# Altium PCB MOTHERBOARD_Hristo_JLC2313.PcbDoc (part 2 of 4) (continued)
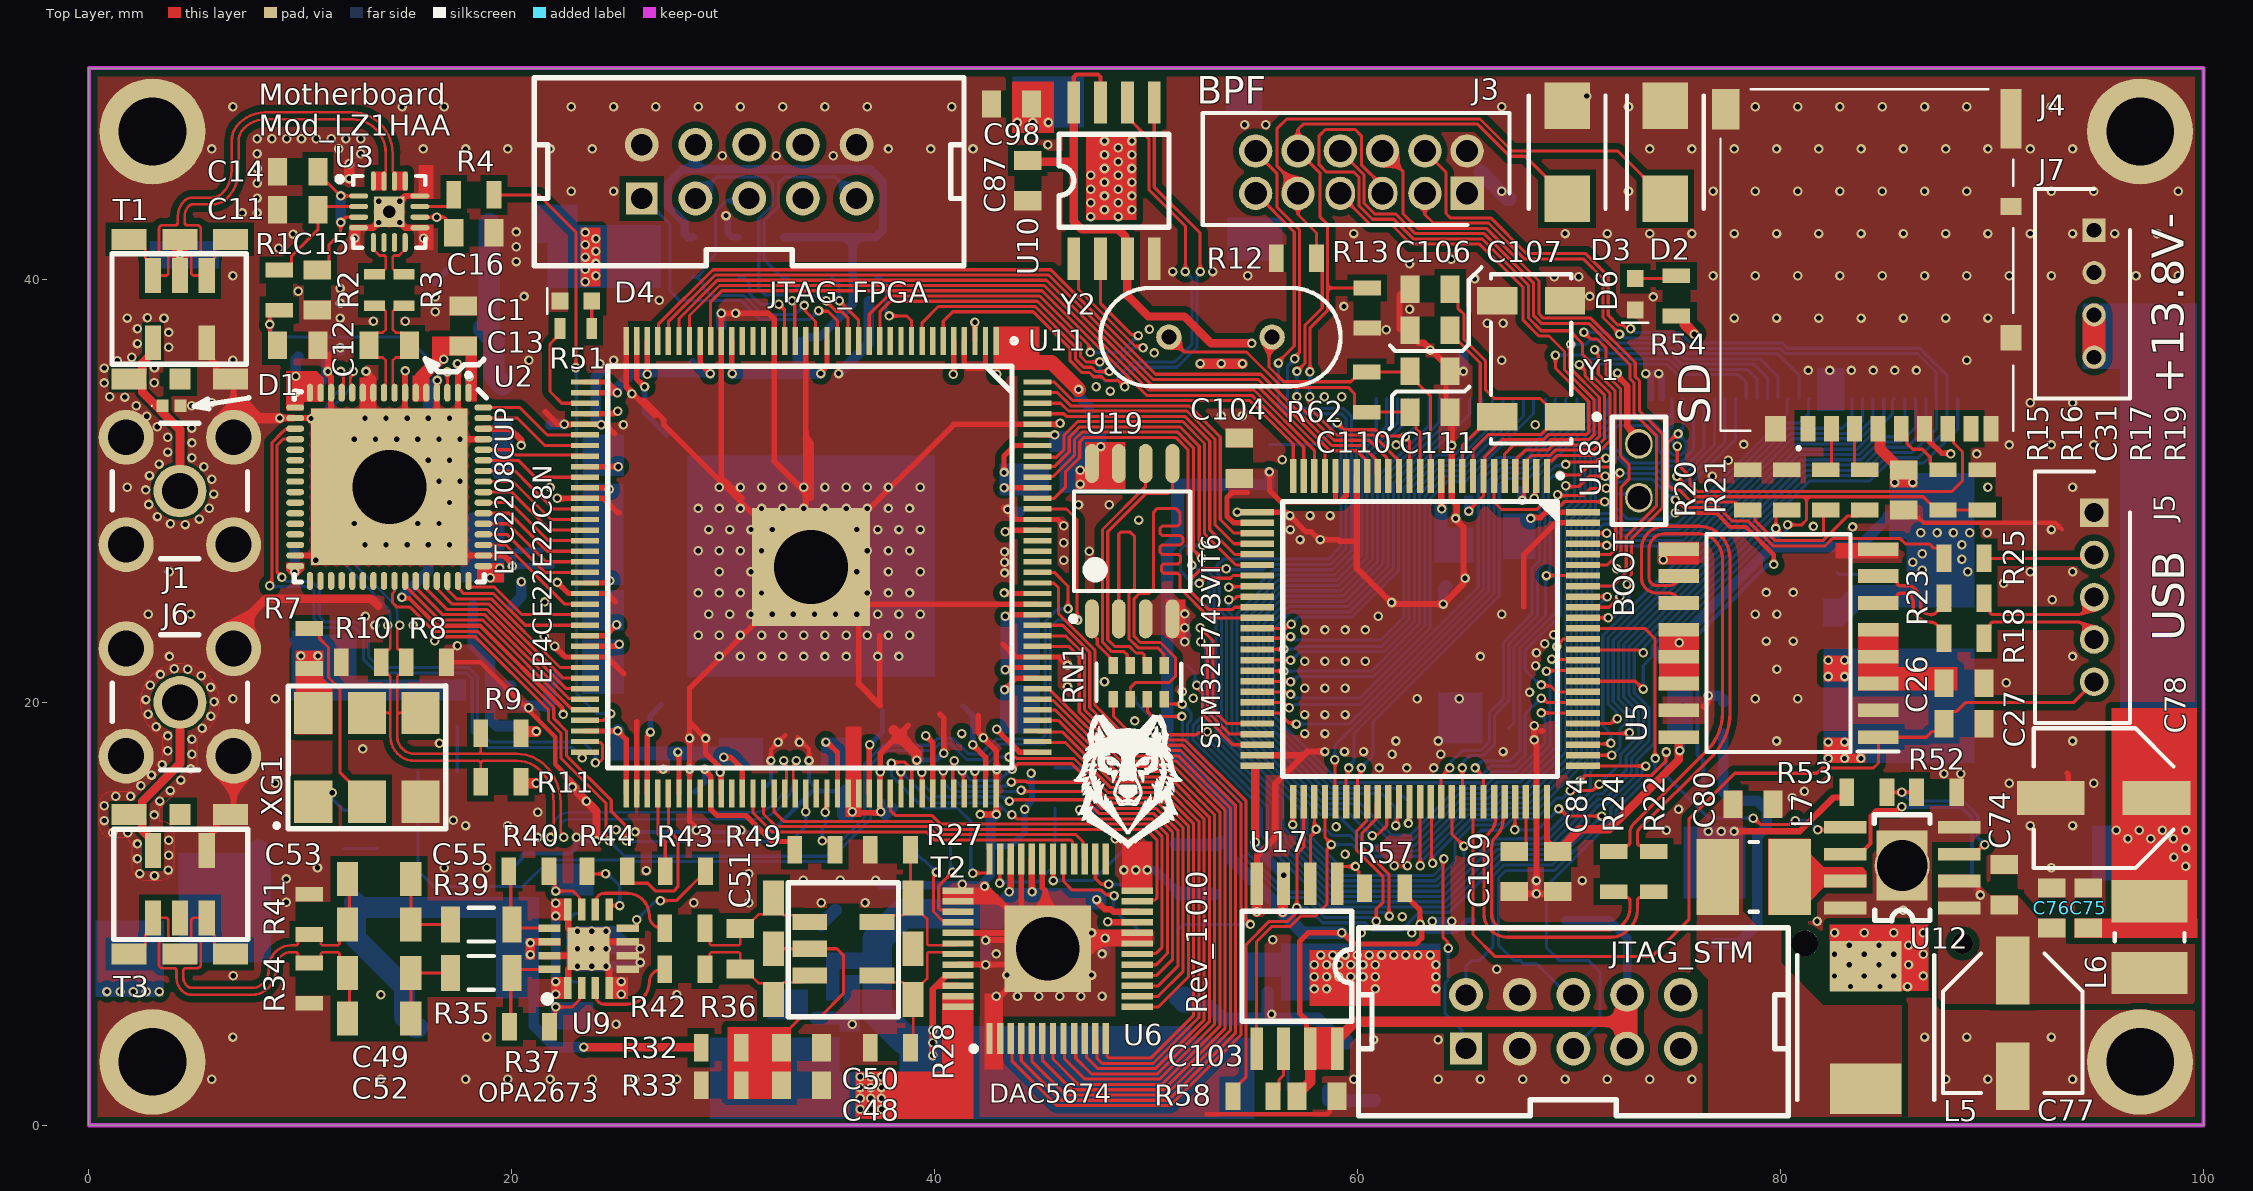
[diagram p0: Top Layer view]
## Nets (pads, with @x,y where several pads share a name; then routed paths per layer and width w, separated by ;. In a path a pad name is that pad's centre, name@x,y a point inside that pad or via, vN(x,y) a via of type N, cw(c..) or ccw(c..) an arc to the next point about the centre after c; other vN are vias at no path point) (continued)
CLKOUTA: U2.41 U11.90 | length 28.8
  Top Layer w0.147: U2.41@14.45,25.747 14.445,25.742 14.445,25.247 14.352,25.154 14.352,24.723 14.555,24.52 15.164,24.52 16.33,23.355 18.385,23.355 21.978,19.762 21.978,19.246 22.575,18.648 22.575,17.49 24.7,15.365 24.7,14.85 25.377,14.173 25.377,13.473 v1(25.4,13.45) ; v1(33.9,14.825) U11.90@33.9,15.7
  Bottom Layer w0.147: v1(25.4,13.45) 25.423,13.427 33.177,13.427 33.9,14.15 v1(33.9,14.825)
D_N: J5.4 R18.1 | length 6.2
  Top Layer w0.153: R18.1@89.625,23.025 89.654,23.054 ccw(c89.065,23.644) 89.898,23.644 cw(c90.052,23.644) 89.943,23.752 cw(c90.052,23.644) 90.052,23.797 94.003,23.797 cw(c94.003,23.053) 94.747,23.053 J5.4@94.825,22.975
D_P: J5.3 R23.1 | length 6.2
  Top Layer w0.153: R23.1@89.625,24.925 89.654,24.896 cw(c89.065,24.306) 89.898,24.306 ccw(c90.052,24.306) 89.943,24.198 ccw(c90.052,24.306) 90.052,24.153 94.003,24.153 ccw(c94.003,24.897) 94.747,24.897 J5.3@94.825,24.975
DA0: U2.42 U11.68 | length 11.2
  Top Layer w0.147: U2.42@14.95,25.747 14.95,25.512 16.557,23.905 18.612,23.905 22.814,19.704 23.396,19.704 U11.68@23.45,19.65
DA1: U2.43 U11.67 | length 10.5
  Top Layer w0.147: U2.43@15.45,25.747 15.45,25.43 15.527,25.354 15.527,25.348 16.722,24.153 18.715,24.153 22.682,20.187 23.413,20.187 U11.67@23.45,20.15
DA2: U2.44 U11.66 | length 9.8
  Top Layer w0.147: U2.44@15.95,25.747 15.979,25.718 15.979,25.346 16.923,24.402 18.818,24.402 22.57,20.65 U11.66@23.45,20.65
DA3: U2.45 U11.65 | length 9.1
  Top Layer w0.147: U2.45@16.45,25.747 16.479,25.718 16.479,25.346 17.175,24.65 18.921,24.65 22.421,21.15 U11.65@23.45,21.15
DA4: U2.46 U11.64 | length 8.4
  Top Layer w0.147: U2.46@16.95,25.747 16.979,25.718 16.979,25.301 17.382,24.898 19.024,24.898 22.272,21.65 U11.64@23.45,21.65
DA5: U2.47 U11.60 | length 7.1
  Top Layer w0.147: U2.47@17.45,25.747 17.45,25.43 17.527,25.354 17.527,25.344 17.724,25.147 19.127,25.147 20.624,23.65 20.862,23.65 22.8,23.65 U11.60@23.45,23.65
DA6: U2.48 U11.59 | length 6.3
  Top Layer w0.147: U2.48@17.95,25.747 17.95,25.521 18.021,25.45 19.175,25.45 20.47,24.155 U11.59@23.45,24.15
DA7: U2.51 U11.58 | length 6
  Top Layer w0.147: U2.51@18.65,27.447 19.703,27.447 22.5,24.65 U11.58@23.45,24.65
DA8: U2.52 U11.55 | length 5.6
  Top Layer w0.147: U2.52@18.65,27.947 19.76,27.947 21.572,26.135 23.435,26.135 U11.55@23.45,26.15
DA9: U2.53 U11.54 | length 5.5
  Top Layer w0.147: U2.53@18.65,28.447 19.819,28.447 21.616,26.65 U11.54@23.45,26.65
DA10: U2.54 U11.53 | length 5.5
  Top Layer w0.147: U2.54@18.65,28.947 19.877,28.947 21.674,27.15 U11.53@23.45,27.15
DA11: U2.55 U11.52 | length 5.5
  Top Layer w0.147: U2.55@18.65,29.447 19.936,29.447 21.733,27.65 U11.52@23.45,27.65
DA12: U2.56 U11.51 | length 5.5
  Top Layer w0.147: U2.56@18.65,29.947 19.995,29.947 21.791,28.15 U11.51@23.45,28.15
DA13: U2.57 U11.50 | length 5.5
  Top Layer w0.147: U2.57@18.65,30.447 20.053,30.447 21.85,28.65 U11.50@23.45,28.65
DA14: U2.58 U11.49 | length 5.5
  Top Layer w0.147: U2.58@18.65,30.947 20.153,30.947 20.8,30.3 21.95,29.15 23.196,29.15 U11.49@23.45,29.15
DA15: U2.59 U11.46 | length 5.1
  Top Layer w0.147: U2.59@18.65,31.447 20.303,31.447 21.1,30.65 U11.46@23.45,30.65
DAC1: U6.16 U11.101 | length 22.4
  Top Layer w0.147: v1(39.378,16.693) 39.389,16.682 39.389,15.711 U11.101@39.4,15.7 ; v1(43.531,15.337) 43.589,15.395 43.765,15.395 43.769,15.398 47.124,15.398 47.779,14.743 50.36,14.743 51.247,13.855 51.247,7.847 50.494,7.094 U6.16@49.577,7.094
  Bottom Layer w0.147: v1(39.378,16.693) 39.37,16.685 39.37,16.205 40.038,15.537 43.249,15.537 43.449,15.337 v1(43.531,15.337)
DAC2: U6.15 U11.103 | length 22.5
  Top Layer w0.147: U11.103@40.4,15.7 U11.103@40.4,15.7 v1(40.402,16.775) v1(40.402,16.775) ; v1(44.077,15.847) 44.135,15.789 47.085,15.789 47.882,14.991 50.463,14.991 51.496,13.958 51.496,7.521 50.569,6.594 U6.15@49.577,6.594
  Bottom Layer w0.147: v1(40.402,16.775) 40.378,16.752 40.378,16.247 40.84,15.785 43.804,15.785 43.807,15.789 44.019,15.789 v1(44.077,15.847)
DAC3: U6.14 U11.104 | length 23.9
  Top Layer w0.147: U11.104@40.9,15.7 40.85,15.75 40.85,17.093 40.92,17.163 v1(40.92,17.245) ; v1(43.619,16.234) 43.657,16.272 44.326,16.272 44.374,16.225 47,16.225 47.985,15.239 50.566,15.239 51.744,14.061 51.744,7.289 50.549,6.094 U6.14@49.577,6.094
  Bottom Layer w0.147: v1(40.92,17.245) 40.862,17.187 40.862,16.954 40.85,16.943 40.85,16.427 41.243,16.034 43.336,16.034 43.537,16.234 v1(43.619,16.234)
DAC4: U6.13 U11.105 | length 23.7
  Top Layer w0.147: v1(41.299,16.757) 41.349,16.706 41.349,15.751 U11.105@41.4,15.7 ; v1(43.652,16.833) 43.918,17.1 46.476,17.1 48.088,15.488 50.669,15.488 51.992,14.164 51.992,7.017 50.569,5.594 U6.13@49.577,5.594
  Bottom Layer w0.147: v1(41.299,16.757) 41.299,16.715 41.714,16.3 43.05,16.3 43.584,16.833 v1(43.652,16.833)
DAC5: U6.12 U11.106 | length 27.9
  Top Layer w0.147: U11.106@41.9,15.7 v1@41.899,16.749 ; v1(43.521,17.419) 43.548,17.392 43.831,17.392 43.875,17.348 46.579,17.348 48.191,15.736 50.772,15.736 52.241,14.267 52.241,5.203 50.213,3.175 48.235,3.175 48.149,3.261 48.149,4.046 U6.12@48.089,4.106
  Bottom Layer w0.147: v1(41.899,16.75) 41.94,16.792 42.193,16.792 42.826,17.425 43.515,17.425 v1(43.521,17.419)
DAC6: U6.11 U11.110 | length 25.3
  Top Layer w0.147: U11.110@44.85,18.15 44.904,18.097 46.182,18.097 48.294,15.985 50.875,15.985 52.489,14.37 52.489,5.1 50.316,2.927 47.923,2.927 47.666,3.184 47.666,4.029 U6.11@47.589,4.106
DAC7: U6.10 U11.111 | length 26.8
  Top Layer w0.147: U11.111@44.85,18.65 44.89,18.61 46.02,18.61 48.397,16.233 50.977,16.233 52.738,14.473 52.738,4.997 50.419,2.678 47.72,2.678 47.166,3.232 47.166,4.029 U6.10@47.089,4.106
DAC8: U6.9 U11.112 | length 28.3
  Top Layer w0.147: U11.112@44.85,19.15 45.831,19.15 48.5,16.481 51.08,16.481 52.986,14.576 52.986,4.894 50.522,2.43 47.409,2.43 46.666,3.174 46.666,4.029 U6.9@46.589,4.106
DAC9: U6.8 U11.113 | length 29.9
  Top Layer w0.147: U11.113@44.85,19.65 45.682,19.65 48.603,16.73 51.183,16.73 53.212,14.701 53.235,14.701 53.235,4.791 50.625,2.181 47.099,2.181 46.132,3.148 46.132,4.063 U6.8@46.089,4.106
DAC10: U6.7 U11.114 | length 31.5
  Top Layer w0.147: U11.114@44.85,20.15 44.904,20.097 45.587,20.097 48.705,16.978 51.309,16.978 53.483,14.804 53.483,4.688 50.728,1.933 46.789,1.933 45.589,3.133 U6.7@45.589,4.106
DAC11: U6.6 U11.115 | length 33
  Top Layer w0.147: U11.115@44.85,20.65 45.383,20.65 45.58,20.453 45.582,20.453 48.808,17.227 51.412,17.227 53.731,14.907 53.731,4.585 50.831,1.685 46.479,1.685 45.089,3.075 U6.6@45.089,4.106
DAC12: U6.5 U11.119 | length 36.7
  Top Layer w0.147: U6.5@44.589,4.106 44.589,3.037 46.19,1.436 50.934,1.436 53.98,4.482 53.98,15.01 51.515,17.475 48.911,17.475 46.83,19.557 46.83,22.16 46.34,22.65 U11.119@44.85,22.65
DAC13: U6.4 U11.120 | length 38.2
  Top Layer w0.147: U6.4@44.089,4.106 44.089,3.061 45.962,1.188 51.036,1.188 54.228,4.379 54.228,15.113 51.618,17.724 49.014,17.724 47.078,19.659 47.078,22.263 46.206,23.136 44.865,23.136 U11.120@44.85,23.15
DAC14: U6.3 U11.121 | length 39.7
  Top Layer w0.147: U6.3@43.589,4.106 43.644,4.051 43.644,3.056 45.761,0.939 51.139,0.939 54.477,4.277 54.477,15.216 51.721,17.972 49.117,17.972 47.327,19.762 47.327,22.366 46.043,23.65 U11.121@44.85,23.65
DAC_CLK: R30.1 U11.125 | length 26
  Top Layer w0.147: U11.125@44.85,25.65 44.865,25.635 45.64,25.635 45.85,25.425 45.85,24.198 47.575,22.473 47.575,19.865 49.22,18.22 51.828,18.22 54.725,15.323 54.725,9.738 54.925,9.538 v1(54.925,9.5)
  Bottom Layer w0.147: R30.1@51.475,9.1 51.475,9.226 51.752,9.503 54.922,9.503 v1(54.925,9.5)
DAC_DIV0: U6.28 U11.85 | length 17.5
  Top Layer w0.147: U11.85@31.4,15.7 31.4,14.775 32.297,13.878 39.595,13.878 39.973,13.501 46.425,13.501 46.511,13.415 46.511,12.66 U6.28@46.588,12.583 ; U6.28@46.588,12.588 U6.28@46.588,12.583 ; U6.28@46.589,12.582 U6.28@46.588,12.583
DAC_DIV1: U6.27 U11.86 | length 17.5
  Top Layer w0.147: U11.86@31.9,15.7 31.9,14.725 32.498,14.127 39.698,14.127 40.025,13.8 40.076,13.749 46.676,13.749 47.011,13.414 47.011,12.66 47.086,12.585 U6.27@47.088,12.588
DAC_DRV_A0: R43.1 U11.76 | length 4
  Top Layer w0.147: U11.76@26.9,15.7 26.9,13.775 27.253,13.422 R43.1@27.253,11.894
DAC_DRV_A1: R44.1 U11.77 | length 7.4
  Top Layer w0.147: R44.1@25.453,11.794 25.453,11.727 25.73,11.45 26.425,11.45 26.8,11.075 27.65,11.075 27.85,11.275 27.85,13.525 27.4,13.975 U11.77@27.4,15.7
DAC_HP1: U6.17 U11.99 | length 22.1
  Top Layer w0.147: U11.99@38.4,15.7 v1(38.4,16.725) ; v1(43.65,14.694) 43.688,14.694 43.888,14.494 50.257,14.494 50.999,13.752 50.999,8.124 50.469,7.594 U6.17@49.577,7.594
  Bottom Layer w0.147: v1(38.4,16.725) 39.875,15.25 42.984,15.25 43.427,14.807 43.455,14.807 43.568,14.694 v1(43.65,14.694)
DAC_HP2: U6.18 U11.98 | length 20.7
  Top Layer w0.147: U11.98@37.9,15.7 37.9,14.9 38.155,14.645 39.882,14.645 40.282,14.246 50.154,14.246 50.75,13.65 50.75,8.425 50.444,8.119 49.602,8.119 49.577,8.094 49.576,8.095 U6.18@49.576,8.1
DAC_OUT_N: R27.2 T2.6 T2.10 U6.42 | length 8.3
  Top Layer w0.122: T2.10@37.265,9.62 37.584,9.939 38.489,9.939 T2.6@38.975,10.425 ; R27.2@38.85,13.025 38.85,10.875 T2.6@38.975,10.75 T2.6@38.975,10.425 ; U6.42@41.1,8.6 41.013,8.513 40.179,8.513 39.709,8.513 39.638,8.584 39.638,9.762 T2.6@38.975,10.425
DAC_OUT_P: R28.2 T2.4 T2.11 U6.43 | length 8.3
  Top Layer w0.122: T2.11@37.265,7.08 37.584,6.761 38.489,6.761 T2.4@38.975,6.275 ; R28.2@38.85,3.675 38.85,3.9 38.975,4.025 T2.4@38.975,5.95 T2.4@38.975,6.275 ; U6.43@41.1,8.1 41.013,8.187 40.044,8.187 39.709,8.187 39.638,8.116 39.638,6.938 T2.4@38.975,6.275
DAC_PD: U6.36 U11.100 | length 11.4
  Top Layer w0.147: v1(37.95,17.125) 37.998,17.173 38.586,17.173 38.911,16.848 38.911,15.711 U11.100@38.9,15.7 ; v1(41.8,11.925) 42.512,11.925 42.589,12.002 U6.36@42.589,12.582
  Bottom Layer w0.147: v1(37.95,17.125) 37.95,16.525 39.475,15 41.075,15 41.7,14.375 41.7,12.107 41.8,12.007 v1(41.8,11.925)
DAC_X4: U6.23 U11.87 | length 23.3
  Top Layer w0.147: U11.87@32.4,15.7 32.4,14.825 32.85,14.375 39.801,14.375 40.179,13.997 50.003,13.997 50.502,13.498 50.502,10.744 50.416,10.658 49.641,10.658 49.577,10.594 49.576,10.595 U6.23@49.576,10.6
DCDC_SYNC: J2.42 U11.133 U12.5 | length 90.4
  Top Layer w0.147: U11.133@44.85,29.65 45.65,29.65 46.175,30.175 46.175,30.899 46.855,31.579 46.855,32.33 47.061,32.536 51.389,32.536 51.977,31.948 51.977,27.001 52.096,26.882 52.096,26.54 v1(52.154,26.482) ; v1(70.493,16.273) 70.77,16.55 73.909,16.55 74.569,17.21 74.569,17.632 v1(74.592,17.655) ; v1(78.7,14.525) 78.749,14.525 79.039,14.234 80.442,14.234 80.552,14.344 80.656,14.344 v1@80.692,14.308 ; v1(80.692,14.402) v1@80.692,14.308 ; v1@80.725,14.435 80.725,14.275 v1@80.692,14.308 ; v1(81.75,13.975) 82.935,13.975 U12.5@83.05,14.09 83.75,14.09 U12.5@83.977,14.317
  Bottom Layer w0.147: v1(52.154,26.482) 52.236,26.482 52.359,26.359 52.367,26.359 52.953,25.773 52.953,24.169 53.303,23.819 53.303,18.223 56.227,15.3 56.227,13.97 56.606,13.591 56.606,13.413 58.95,11.07 63.916,11.07 66.396,13.55 67.601,13.55 68.7,13.55 69.925,14.775 69.925,15.056 70.493,15.624 70.493,16.355 70.752,16.614 70.752,16.815 71.089,17.152 71.089,28.268 71.497,28.676 72.055,28.676 72.58,28.152 75.184,28.152 80.246,33.214 80.88,33.214 81.324,33.658 81.324,34.324 J2.42@81.375,34.375 ; v1(74.592,17.655) 74.592,16.533 76.6,14.525 v1(78.7,14.525) ; v1(80.692,14.402) 81.323,14.402 v1(81.75,13.975)
DD_N: R22.1 U5.11 | length 25.5
  Top Layer w0.153: R22.1@74,12.95 73.871,13.079 ccw(c73.522,12.73) 73.522,13.223 73.381,13.223 cw(c73.381,13.377) 73.273,13.268 cw(c73.381,13.377) 73.228,13.377 73.228,13.827 cw(c73.473,13.827) 73.3,14 76.76,17.46 ccw(c74.717,19.503) 77.606,19.503 77.606,26.773 ccw(c75.978,26.773) 77.129,27.925 77.125,27.929 ccw(c76.154,26.958) 76.154,28.331 74.482,28.331 ccw(c74.482,27.294) 73.749,28.028 73.747,28.026 ccw(c74.541,27.233) 73.419,27.233 73.419,25.9 ccw(c74.15,25.9) 74.15,25.169 74.724,25.169 cw(c74.724,24.705) U5.11@75.188,24.705
DD_P: R24.1 U5.10 | length 23.9
  Top Layer w0.153: R24.1@72.1,12.95 72.229,13.079 cw(c72.578,12.73) 72.578,13.223 72.719,13.223 ccw(c72.719,13.377) 72.827,13.268 ccw(c72.719,13.377) 72.872,13.377 72.872,13.827 cw(c73.473,13.827) 73.048,14.252 76.506,17.71 ccw(c74.71,19.506) 77.25,19.506 77.25,26.77 ccw(c75.97,26.77) 76.875,27.675 ccw(c76.151,26.951) 76.151,27.975 74.483,27.975 ccw(c74.483,27.292) 74,27.775 ccw(c74.543,27.232) 73.775,27.232 73.775,25.9 ccw(c74.15,25.9) 74.15,25.525 74.738,25.525 ccw(c74.738,25.975) U5.10@75.188,25.975
DITH: U2.20 U11.71 | length 30.9
  Top Layer w0.147: v1(9.125,25.925) 9.125,25.938 8.9,26.163 8.9,32.175 9.175,32.45 9.747,32.45 U2.20@9.75,32.447 ; U11.71@23.45,18.15 23.504,18.097 24.199,18.097 24.285,18.011 24.285,17.321 24.171,17.206 24.008,17.206 v1(23.95,17.148)
  Bottom Layer w0.147: v1(9.125,25.925) 9.327,25.723 10.525,25.723 10.898,25.35 10.898,24.052 11.15,23.8 12.651,23.8 13.225,23.226 13.225,22.15 13.727,21.648 17.953,21.648 18.375,21.226 18.375,18.725 18.975,18.125 23.375,18.125 23.95,17.55 v1(23.95,17.148)
DSPI_CLK: RN1.6 U18.36 | length 27
  Top Layer w0.147: RN1.6@49.25,20.15 49.25,20.7 49.5,20.95 51.1,20.95 51.375,21.225 51.375,22.125 50.67,22.83 49.72,22.83 49.426,23.124 49.426,24.901 49.675,25.15 50.124,25.15 50.35,25.376 50.35,29 50.525,29.175 51.4,29.175 51.6,28.974 51.6,28.454 51.488,28.342 50.755,28.342 50.644,28.231 50.644,28.007 50.755,27.896 51.616,27.896 51.728,27.784 51.728,27.56 51.616,27.449 50.755,27.449 50.644,27.337 50.644,27.114 50.755,27.002 51.516,27.002 51.628,26.89 51.628,26.667 51.516,26.555 50.825,26.555 50.713,26.443 50.713,26.22 50.825,26.108 51.488,26.108 51.6,25.997 51.6,25.396 51.6,25.385 52.985,24 U18.36@55.25,24
DSPI_IO0: RN1.7 U18.58 | length 24.2
  Top Layer w0.147: RN1.7@50.05,20.15 50.05,19.575 50.289,19.336 v1(51.685,19.336) ; U18.58@60.45,15.3 60.45,14.875 60.407,14.832 60.407,14.376 59.952,13.921 59.952,12.998 61.2,11.75 61.2,10.557 60.875,10.232 v1(60.875,9.651)
  Bottom Layer w0.147: v1(51.685,19.336) 51.707,19.314 51.707,18.028 52.144,17.592 54.477,15.259 54.477,12.82 56.522,10.775 57.488,10.775 58.435,9.828 60.637,9.828 60.814,9.651 v1(60.875,9.651)
DSPI_IO1: RN1.8 U18.59 | length 23.7
  Top Layer w0.147: RN1.8@50.85,20.15 50.85,20.075 51.002,19.923 v1(51.7,19.923) ; U18.59@60.95,15.3 60.873,15.223 60.873,14.491 60.2,13.818 60.2,13.15 61.475,11.875 61.475,9.924 v1(61.501,9.897)
  Bottom Layer w0.147: v1(51.7,19.923) 52.111,19.512 52.111,19.16 51.956,19.004 51.956,18.131 52.247,17.84 54.725,15.362 54.725,12.923 56.625,11.023 57.591,11.023 58.538,10.077 61.264,10.077 61.443,9.897 v1(61.501,9.897)
DSPI_NCS#: R64.2 RN1.5 U18.92 | length 42.9
  Top Layer w0.147: RN1.5@48.45,20.15 48.45,19.342 49.142,18.65 v1(50.339,18.65) 50.395,18.65 50.576,18.469 52.359,18.469 52.45,18.56 52.82,18.56 v1(52.878,18.618) ; U18.92@70.65,25 v1(71.8,25)
  Bottom Layer w0.147: R64.2@49.5,20.25 49.5,20 50.339,19.161 v1(50.339,18.65) ; v1(52.878,18.618) 52.878,18.536 53.055,18.359 53.055,18.12 55.973,15.202 55.973,13.872 56.358,13.488 56.358,13.311 58.847,10.822 64.019,10.822 66.499,13.301 67.783,13.301 ; 67.784,13.302 68.803,13.302 70.173,14.672 70.173,14.953 71,15.78 71,15.948 ; 70.999,15.948 70.999,16.151 ; 71,16.152 71,16.712 71.337,17.049 71.337,24.537 v1(71.8,25)
ENC2_CLK: J2.37 R55.1 U18.7 | length 24.1
  Top Layer w0.147: v1(65.25,29.05) 65.25,29.066 65.95,29.766 U18.7@65.95,30.7 66.009,30.759 66.009,31.609 66.827,32.427 68.778,32.427 69.026,32.675 70.822,32.675 70.925,32.778 70.925,34.225 69.351,35.799 v1(69.351,36.422)
  Bottom Layer w0.147: R55.1@64.975,29.525 65.073,29.525 65.25,29.348 v1(65.25,29.05) ; v1(69.351,36.422) 70.653,36.422 70.827,36.248 74.723,36.248 75.223,35.748 78.427,35.748 78.875,35.3 J2.37@78.875,34.375
ENC2_DT: J2.36 R56.1 U18.3 | length 19.1
  Top Layer w0.147: v1(67.783,29.55) 67.783,29.632 67.873,29.722 67.873,30.623 U18.3@67.95,30.7 68.027,30.777 68.027,31.474 68.125,31.572 68.228,31.675 69.08,31.675 69.335,31.93 71.131,31.93 71.68,32.478 71.68,34.524 70.752,35.452 70.752,35.703 v1(70.475,35.98)
  Bottom Layer w0.147: v1(70.475,35.98) 70.495,36 74.62,36 75.12,35.5 78,35.5 78.375,35.125 J2.36@78.375,34.375
ENC_CLK: J2.40 U18.51 | length 43.2
  Top Layer w0.147: v1(56.925,14.225) 56.937,14.238 56.937,15.287 U18.51@56.95,15.3
  Bottom Layer w0.147: v1(56.925,14.225) 56.925,14.143 57.028,14.04 57.028,13.992 57.103,13.916 57.103,13.619 59.155,11.567 63.684,11.567 64.6,12.484 64.6,13.028 64.599,13.028 64.599,13.381 65.42,14.202 66.663,14.202 67.212,14.75 68.335,14.75 70.84,17.255 70.84,28.371 71.394,28.925 72.158,28.925 72.664,28.419 75.099,28.419 80.298,33.618 80.298,34.298 J2.40@80.375,34.375
ENC_DT: J2.39 U18.4 | length 21.8
  Top Layer w0.147: U18.4@67.45,30.7 67.527,30.777 67.527,31.541 67.916,31.93 68.984,31.93 69.232,32.178 71.028,32.178 71.431,32.581 71.431,34.421 70.025,35.828 70.025,36.89 v1(70.066,36.932)
  Bottom Layer w0.147: v1(70.066,36.932) 70.782,36.932 71.003,37.153 71.696,37.153 72.103,36.745 74.928,36.745 75.428,36.245 79.03,36.245 79.875,35.4 J2.39@79.875,34.375
ESP_1_RX: J2.32 U18.64 | length 35.1
  Top Layer w0.147: U18.64@63.45,15.3 63.488,15.262 63.488,12.444 v1(63.541,12.391)
  Bottom Layer w0.147: v1@63.541,12.398 63.567,12.424 63.567,12.7 65.317,14.45 66.56,14.45 67.109,14.998 68.233,14.998 70.592,17.358 70.592,28.474 71.253,29.135 71.253,31.668 71.585,32 72.203,32 72.883,31.32 74.453,31.32 74.6,31.173 75.498,31.173 76.375,32.05 J2.32@76.375,34.375
ESP_1_TX: J2.31 U18.63 | length 36.4
  Top Layer w0.147: U18.63@62.95,15.3 62.952,15.298 62.952,12.277 v1(62.953,12.276)
  Bottom Layer w0.147: v1(62.953,12.276) 63.008,12.331 63.008,12.492 65.214,14.698 66.458,14.698 67.006,15.247 68.13,15.247 70.344,17.461 70.344,28.577 71.004,29.238 71.004,31.771 72.334,33.1 73.75,33.1 74.225,32.625 74.225,31.9 74.703,31.422 75.372,31.422 75.875,31.925 J2.31@75.875,34.375
FMC_A18: J2.2 U18.60 | length 30.4
  Top Layer w0.147: v1(60.686,13.702) 60.744,13.76 60.963,13.76 61.375,14.172 61.375,15.225 U18.60@61.45,15.3
  Bottom Layer w0.147: v1(60.686,13.702) 60.653,13.702 59.394,14.961 58.322,14.961 54.56,18.724 54.56,18.94 54.548,18.952 54.548,24.098 56.227,25.776 59.007,25.776 60.198,26.968 60.198,31.875 61.375,33.053 J2.2@61.375,34.375
FMC_D0: J2.6 U18.61 | length 30.5
  Top Layer w0.147: v1(61.8,14.175) 61.8,14.257 61.873,14.33 61.873,15.223 U18.61@61.95,15.3
  Bottom Layer w0.147: v1(61.8,14.175) 61.8,15.025 61.119,15.706 58.631,15.706 55.305,19.032 55.305,19.384 55.294,19.395 55.294,23.79 56.535,25.031 59.315,25.031 60.943,26.659 60.943,30.673 63.375,33.105 J2.6@63.375,34.375
FMC_D1: J2.7 U18.62 | length 30.8
  Top Layer w0.147: v1(62.4,14.275) 62.425,14.3 62.425,15.275 U18.62@62.45,15.3
  Bottom Layer w0.147: v1(62.4,14.275) 62.4,15.3 61.745,15.955 58.733,15.955 55.553,19.135 55.553,23.698 56.638,24.783 59.418,24.783 61.191,26.556 61.191,30.57 63.841,33.22 63.841,34.341 J2.7@63.875,34.375
FMC_D2: J2.8 U18.81 | length 38.9
  Top Layer w0.147: v1(68.675,19.5) U18.81@70.65,19.5
  Bottom Layer w0.147: J2.8@64.375,34.375 64.304,34.304 64.304,33.331 61.44,30.467 61.44,26.453 59.521,24.534 56.741,24.534 55.802,23.595 55.802,19.238 58.836,16.203 64.943,16.203 65.855,16.203 66.389,16.737 67.512,16.737 68.853,18.078 68.853,19.24 68.675,19.418 v1(68.675,19.5)
FMC_D3: J2.9 U18.82 | length 38.9
  Top Layer w0.147: v1(68.675,20.2) 68.757,20.2 68.957,20 U18.82@70.65,20
  Bottom Layer w0.147: J2.9@64.875,34.375 64.798,34.298 64.798,33.475 61.688,30.365 61.688,26.35 59.624,24.286 56.844,24.286 56.05,23.492 56.05,19.341 58.939,16.452 63.868,16.452 65.752,16.452 66.286,16.986 67.39,16.986 67.923,17.519 67.923,19.448 v1(68.675,20.2)
FMC_D4: J2.10 U18.37 | length 17.4
  Top Layer w0.147: U18.37@55.25,23.5 56.578,23.5 56.773,23.695 v1(56.855,23.695)
  Bottom Layer w0.147: v1(56.855,23.695) 56.855,23.717 57.175,24.038 59.727,24.038 61.937,26.247 61.937,30.262 65.298,33.623 65.298,34.298 J2.10@65.375,34.375
FMC_D5: J2.11 U18.38 | length 19.9
  Top Layer w0.147: U18.38@55.25,23 55.284,23.034 56.665,23.034 56.743,23.112 v1(56.825,23.112)
  Bottom Layer w0.147: v1(56.825,23.112) 56.9,23.112 57.063,22.95 61.087,22.95 62.185,24.048 62.185,30.159 63.726,31.7 64.593,31.7 65.875,32.982 65.875,33.518 J2.11@65.875,34.375
FMC_D6: J2.12 U18.39 | length 20.4
  Top Layer w0.147: U18.39@55.25,22.5 55.261,22.511 56.488,22.511 v1(56.498,22.522)
  Bottom Layer w0.147: v1(56.498,22.522) 57.058,22.522 57.185,22.648 61.137,22.648 62.434,23.945 62.434,30.056 63.829,31.452 64.696,31.452 66.375,33.13 J2.12@66.375,34.375
FMC_D7: J2.13 U18.40 | length 21
  Top Layer w0.147: U18.40@55.25,22 v1(56.825,22)
  Bottom Layer w0.147: v1(56.825,22) 56.888,22 57.288,22.4 61.239,22.4 62.682,23.843 62.682,29.953 63.932,31.203 64.799,31.203 66.875,33.279 J2.13@66.875,34.375
FMC_D8: J2.14 U18.41 | length 21.6
  Top Layer w0.147: U18.41@55.25,21.5 55.261,21.489 56.488,21.489 v1(56.498,21.478)
  Bottom Layer w0.147: v1(56.498,21.478) 60.669,21.478 62.93,23.74 62.93,29.85 64.035,30.955 64.902,30.955 67.341,33.394 67.341,34.341 J2.14@67.375,34.375
FMC_D9: J2.15 U18.42 | length 22.2
  Top Layer w0.147: U18.42@55.25,21 55.261,20.989 56.811,20.989 v1(56.825,20.975)
  Bottom Layer w0.147: v1(56.825,20.975) 56.907,20.975 57.162,21.23 60.772,21.23 63.179,23.637 63.179,29.747 64.138,30.706 65.005,30.706 67.841,33.542 67.841,34.341 J2.15@67.875,34.375
FMC_D10: J2.16 U18.43 | length 23.1
  Top Layer w0.147: U18.43@55.25,20.5 56.621,20.5 56.746,20.375 v1(56.825,20.375)
  Bottom Layer w0.147: v1(56.825,20.375) 56.888,20.375 57.063,20.2 60.093,20.2 63.427,23.534 63.427,29.644 64.241,30.458 65.108,30.458 68.316,33.666 68.316,34.316 J2.16@68.375,34.375
FMC_D11: J2.17 U18.44 | length 23.8
  Top Layer w0.147: U18.44@55.25,20 56.43,20 56.683,19.747 v1(56.765,19.747)
  Bottom Layer w0.147: v1(56.765,19.747) 56.847,19.747 57,19.9 60.145,19.9 65.7,25.455 65.7,30.699 66.593,31.592 67.664,31.592 68.875,32.803 J2.17@68.875,34.357
FMC_D12: J2.18 U18.45 | length 24.6
  Top Layer w0.147: U18.45@55.25,19.5 56.27,19.5 56.737,19.033 57.045,19.033 v1(57.103,18.975)
  Bottom Layer w0.147: v1(57.103,18.975) 59.571,18.975 65.948,25.352 65.948,30.596 66.696,31.343 67.767,31.343 69.325,32.902 69.325,34.325 J2.18@69.375,34.375
FMC_D13: J2.19 U18.55 | length 24.3
  Top Layer w0.147: v1(58.912,17.293) 58.931,17.274 58.931,15.319 U18.55@58.95,15.3
  Bottom Layer w0.147: v1(58.912,17.293) 58.923,17.303 58.923,17.976 66.197,25.25 66.197,30.493 66.799,31.095 67.869,31.095 69.825,33.05 69.825,34.325 J2.19@69.875,34.375
FMC_D14: J2.20 U18.56 | length 24.2
  Top Layer w0.147: U18.56@59.45,15.3 59.437,15.313 59.437,16.381 59.517,16.461 59.517,16.842 v1(59.575,16.9)
  Bottom Layer w0.147: v1(59.575,16.9) 59.575,16.963 59.825,17.213 59.825,18.526 66.445,25.147 66.445,30.39 66.902,30.846 67.972,30.846 70.375,33.249 J2.20@70.375,34.375
FMC_D15: J2.21 U18.57 | length 24.2
  Top Layer w0.147: U18.57@59.95,15.3 59.988,15.337 59.988,16.381 60.117,16.511 60.117,16.842 v1(60.175,16.9)
  Bottom Layer w0.147: v1(60.175,16.9) 60.175,16.934 60.725,17.484 60.725,19.075 66.325,24.675 66.694,25.044 66.694,30.287 67.005,30.598 68.075,30.598 70.875,33.398 J2.21@70.875,34.357
FMC_NE1: J2.1 U18.88 | length 45.9
  Top Layer w0.147: v1(69.421,22.642) 69.421,22.71 69.711,23 U18.88@70.65,23
  Bottom Layer w0.147: J2.1@60.875,34.375 60.875,32.925 59.949,31.999 59.949,27.07 58.904,26.025 56.124,26.025 54.3,24.201 54.3,18.632 58.219,14.713 59.012,14.713 60.502,13.223 62.685,13.223 64.905,15.444 66.149,15.444 66.697,15.992 67.821,15.992 69.598,17.769 69.598,22.383 69.421,22.56 v1(69.421,22.642)
FMC_NOE: J2.4 U18.85 | length 43.4
  Top Layer w0.147: v1(68.925,21.475) 68.949,21.5 U18.85@70.65,21.5
  Bottom Layer w0.147: J2.4@62.375,34.375 62.298,34.298 62.298,33.273 60.695,31.67 60.695,26.762 59.212,25.28 56.432,25.28 55.045,23.893 55.045,19.292 55.056,19.281 55.056,18.929 58.528,15.458 59.883,15.458 61.621,13.72 62.479,13.72 64.7,15.94 65.943,15.94 66.492,16.489 67.615,16.489 69.102,17.975 69.102,21.237 68.925,21.414 v1(68.925,21.475)
FMC_NWE: J2.3 U18.86 | length 44.4
  Top Layer w0.147: v1(69.173,22.05) 69.198,22.025 70.625,22.025 U18.86@70.65,22
  Bottom Layer w0.147: J2.3@61.875,34.375 61.875,33.201 60.446,31.773 60.446,26.865 59.11,25.528 56.329,25.528 54.797,23.995 54.797,19.178 54.808,19.167 54.808,18.826 58.425,15.21 59.78,15.21 61.518,13.472 62.582,13.472 64.802,15.692 66.046,15.692 66.594,16.24 67.718,16.24 69.35,17.872 69.35,21.791 69.173,21.968 v1(69.173,22.05)
FPGA_BUS_D0: U11.31 U18.22 | length 36.8
  Top Layer w0.147: U11.31@27.9,37.1 27.9,38.147 29.718,39.965 45.285,39.965 50.23,35.02 55.201,35.02 58.45,31.771 U18.22@58.45,30.7
FPGA_BUS_D1: U11.30 U18.23 | length 35.8
  Top Layer w0.147: U11.30@28.4,37.1 28.4,38.296 29.821,39.717 45.168,39.717 50.114,34.772 55.098,34.772 57.95,31.92 U18.23@57.95,30.7
FPGA_BUS_D2: U11.28 U18.24 | length 34.5
  Top Layer w0.147: U11.28@29.4,37.1 29.4,38.945 29.924,39.469 45.065,39.469 50.011,34.523 54.995,34.523 57.45,32.068 U18.24@57.45,30.7
FPGA_BUS_D3: U11.144 U18.25 | length 14.8
  Top Layer w0.147: U11.144@44.85,35.15 45.65,35.15 46.525,34.275 54.892,34.275 56.95,32.217 U18.25@56.95,30.7
FPGA_BUS_D4: U11.143 U18.28 | length 15.4
  Top Layer w0.147: U11.143@44.85,34.65 45.799,34.65 46.422,34.027 52.027,34.027 53.5,32.554 53.5,28.65 54.147,28.003 55.247,28.003 U18.28@55.25,28
FPGA_BUS_D5: U11.142 U18.29 | length 15.5
  Top Layer w0.147: U11.142@44.85,34.15 45.947,34.15 46.319,33.778 51.924,33.778 53.252,32.451 53.252,28.398 54.147,27.503 55.247,27.503 U18.29@55.25,27.5
FPGA_BUS_D6: U11.141 U18.30 | length 15.6
  Top Layer w0.147: U11.141@44.85,33.65 46.096,33.65 46.216,33.53 51.822,33.53 53.003,32.348 53.003,28.172 54.175,27 U18.30@55.25,27
FPGA_BUS_D7: U11.137 U18.31 | length 16.8
  Top Layer w0.147: U11.137@44.85,31.65 44.904,31.596 45.75,31.596 46.11,31.957 46.11,32.639 46.752,33.281 51.719,33.281 52.755,32.245 52.755,27.983 54.238,26.5 U18.31@55.25,26.5
FPGA_CLK: U11.33 U18.17 | length 40.3
  Top Layer w0.147: U11.33@26.9,37.1 26.928,37.128 26.928,37.878 29.512,40.462 45.49,40.462 50.436,35.517 55.407,35.517 58.775,32.148 60.199,32.148 60.873,31.474 60.873,30.777 U18.17@60.95,30.7